# KiCad board PC110.kicad_pcb (continued)
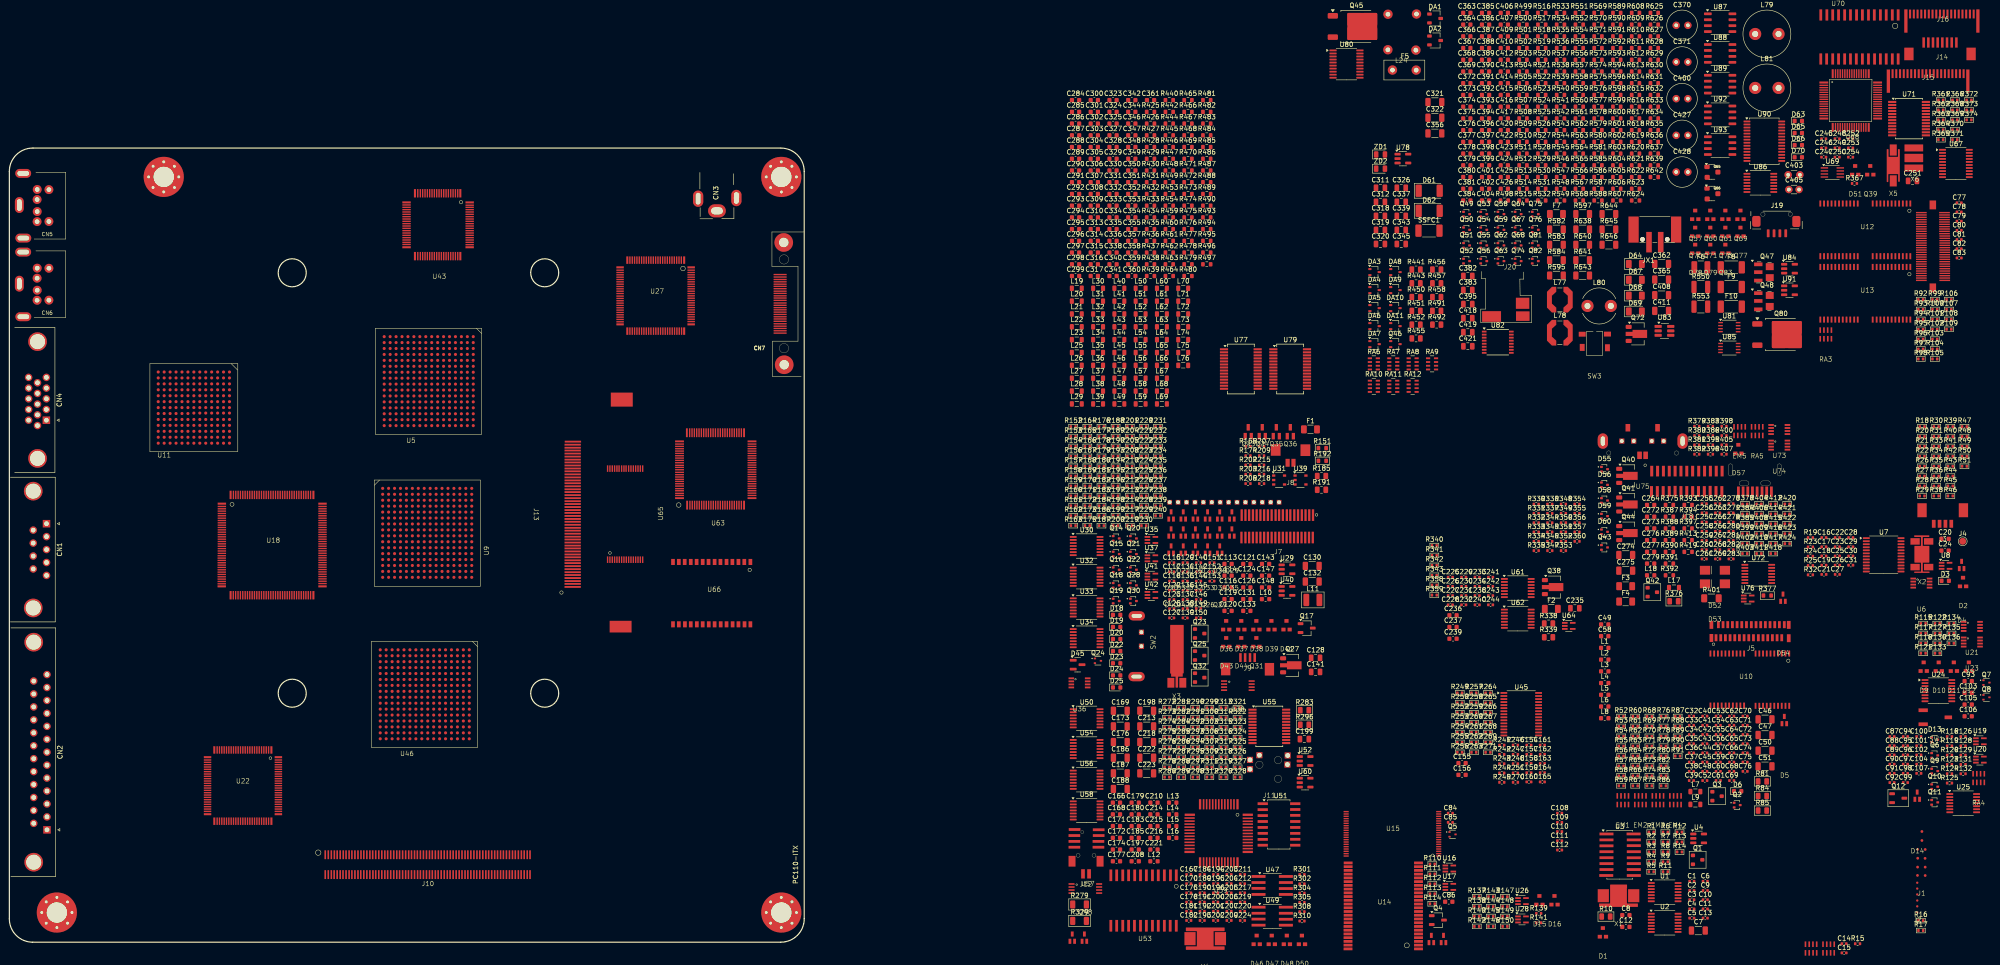
[diagram p0: board, top side]
## Placement (name value [footprint] x y rotation side) (continued)
C390  150nF  [C_0603_1608Metric]  315.72 186.39 0 top
C391  100pF  [C_0603_1608Metric]  315.72 183.88 0 top
C392  120nF  [C_0603_1608Metric]  315.72 181.37 0 top
C393  120nF  [C_0603_1608Metric]  315.72 178.86 0 top
C394  24nF  [C_0603_1608Metric]  315.72 176.35 0 top
C395  1.5uF  [C_0805_2012Metric]  311.93 136.6 0 top
C396  10pF  [C_0603_1608Metric]  315.72 173.84 0 top
C397  1.2nF  [C_0603_1608Metric]  315.72 171.33 0 top
C398  180nF  [C_0603_1608Metric]  315.72 168.82 0 top
C399  1.2nF  [C_0603_1608Metric]  315.72 166.31 0 top
C400  47uF 6.3v  [C_Radial_D6.3mm_H11.0mm_P2.50mm]  356.49 180.57 0 top
C401  180nF  [C_0603_1608Metric]  315.72 163.8 0 top
C402  10nF  [C_0603_1608Metric]  315.72 161.29 0 top
C403  33uF 20V  [C_Disc_D3.0mm_W1.6mm_P2.50mm]  380.44 164.27 0 top
C404  100nF  [C_0603_1608Metric]  315.72 158.78 0 top
C405  56uF 25V EC  [EC]  380.44 161.12 0 top
C406  150nF  [C_0603_1608Metric]  319.73 198.94 0 top
C407  180nF  [C_0603_1608Metric]  319.73 196.43 0 top
C408  5.2uF  [C_1206_3216Metric]  353.38 138.5 0 top
C409  10nF  [C_0603_1608Metric]  319.73 193.92 0 top
C410  1nF  [C_0603_1608Metric]  319.73 191.41 0 top
C411  1.2uF  [C_1206_3216Metric]  353.38 135.15 0 top
C412  10nF  [C_0603_1608Metric]  319.73 188.9 0 top
C413  150nF  [C_0603_1608Metric]  319.73 186.39 0 top
C414  18nF  [C_0603_1608Metric]  319.73 183.88 0 top
C415  12nF  [C_0603_1608Metric]  319.73 181.37 0 top
C416  150nF  [C_0603_1608Metric]  319.73 178.86 0 top
C417  120nF  [C_0603_1608Metric]  319.73 176.35 0 top
C418  1.5uF  [C_0805_2012Metric]  311.93 133.59 0 top
C419  1.5uF  [C_0805_2012Metric]  311.93 130.58 0 top
C420  150nF  [C_0603_1608Metric]  319.73 173.84 0 top
C421  1.5uF  [C_0805_2012Metric]  311.93 127.57 0 top
C422  150nF  [C_0603_1608Metric]  319.73 171.33 0 top
C423  10nF  [C_0603_1608Metric]  319.73 168.82 0 top
C424  120nF  [C_0603_1608Metric]  319.73 166.31 0 top
C425  10nF  [C_0603_1608Metric]  319.73 163.8 0 top
C426  10nF  [C_0603_1608Metric]  319.73 161.29 0 top
C427  47uF 6.3v  [C_Radial_D6.3mm_H11.0mm_P2.50mm]  356.49 172.72 0 top
C428  47uF 6.3V  [C_Radial_D6.3mm_H11.0mm_P2.50mm]  356.49 164.87 0 top
CN1  -  [DSUB-9_Pins_Horizontal_P2.77x2.84mm_EdgePinOffset4.94mm_Housed_MountingHolesOffset4.94mm]  7.95 89.59 270 top
CN2  -  [DSUB-25_Socket_Horizontal_P2.77x2.84mm_EdgePinOffset4.94mm_Housed_MountingHolesOffset4.94mm]  8.05 24.05 270 top
CN3  -  [BarrelJack_Horizontal_PC110]  151.21 160.41 270 top
CN4  -  [DSUB-15-HD_Socket_Horizontal_P2.29x1.90mm_EdgePinOffset3.03mm_Housed_MountingHolesOffset4.94mm]  7.92 111.75 270 top
CN5  -  [PS2 Connector]  6.86 157.68 0 top
CN6  -  [PS2 Connector]  6.86 140.84 0 top
CN7  -  [FDC_Connector]  166.57 136.54 0 top
D1  DNP  [3D]  340.85 1.9 0 top  (not fitted)
D2  -  [3D]  417.88 76.9 0 top
D3  92  [D_0603_1608Metric]  414.03 77.36 0 top
D4  K  [SOT-416L]  417.58 80.73 0 top
D5  K  [SOT-416L]  379.66 47.53 0 top
D6  71  [D_0603_1608Metric]  369.63 32.32 0 top
D7  3D  [SOT-416L]  304.18 0.66 0 top
D8  N  [SOT-416L]  306.77 0.66 0 top
D9  -  [3D]  409.46 58.77 0 top
D10  -  [3D]  412.69 58.77 0 top
D11  -  [3D]  415.92 58.77 0 top
D12  -  [3D]  419.14 58.77 0 top
D13  N  [SOT-416]  411.78 43.33 0 top
D14  K  [SOT-416L]  408.08 31.34 0 top
D15  -  [3D]  327.28 8.77 0 top
D16  -  [3D]  330.51 8.77 0 top
D17  N  [SOT-416L]  248.51 91.33 0 top
D18  40  [D_0603_1608Metric]  236.82 70.06 0 top
D19  24  [D_0603_1608Metric]  236.82 67.47 0 top
D20  24  [D_0603_1608Metric]  236.82 64.88 0 top
D21  N  [SOT-416L]  251.12 91.33 0 top
D22  C6  [D_0603_1608Metric]  236.82 62.29 0 top
D23  26  [D_0603_1608Metric]  236.82 59.7 0 top
D24  A2  [D_0603_1608Metric]  236.82 57.11 0 top
D25  83  [D_0603_1608Metric]  236.82 54.52 0 top
D26  N  [SOT-416L]  253.71 91.33 0 top
D27  N  [SOT-416L]  256.31 91.33 0 top
D28  N  [SOT-416L]  258.91 91.33 0 top
D29  N  [SOT-416L]  261.51 91.33 0 top
D30  N  [SOT-416L]  248.51 87.68 0 top
D31  N  [SOT-416L]  251.12 87.68 0 top
D32  N  [SOT-416L]  253.71 87.68 0 top
D33  N  [SOT-416L]  256.31 87.68 0 top
D34  N  [SOT-416L]  258.91 87.68 0 top
D35  N  [SOT-416L]  261.51 87.68 0 top
D36  Q  [3D]  260.29 67.65 0 top
D37  Q  [3D]  263.52 67.65 0 top
D38  -  [3D]  266.75 67.65 0 top
D39  DNP  [3D]  269.97 67.65 0 top  (not fitted)
D40  K  [SOT-416L]  248.51 84.03 0 top
D41  DNP  [3D]  273.19 67.65 0 top  (not fitted)
D42  K  [SOT-416L]  251.12 84.03 0 top
D43  -  [3D]  260.29 64 0 top
D44  -  [3D]  263.52 64 0 top
D45  3D  [SOT-23#2]  228.47 59.41 0 top
D46  DNP  [3D]  266.81 0.29 0 top  (not fitted)
D47  -  [3D]  270.04 0.29 0 top
D48  -  [3D]  273.26 0.29 0 top
D49  N  [SOT-416L]  227.38 0.95 0 top
D50  DNP  [3D]  276.49 0.29 0 top  (not fitted)
D51  -  [3D]  394.81 165.04 0 top
D52  s.3 5F  [Diode]  364.75 79.67 0 top
D53  s.3 5F  [Diode]  364.75 76.77 0 top
D54  3D  [SOT-416L]  379.38 73.72 0 top
D55  K  [SOT-416]  341.15 101.25 0 top
D56  K  [SOT-416]  341.15 97.9 0 top
D57  -  [3D]  369.83 105.35 0 top
D58  K  [SOT-416]  341.15 94.55 0 top
D59  K  [SOT-416]  341.15 91.2 0 top
D60  K  [SOT-416]  341.15 87.85 0 top
D61  s.3 5J  [D_2010_5025Metric]  303.66 160.86 0 top
D62  s.3 5J  [D_2010_5025Metric]  303.66 156.57 0 top
D63  8-2  [D_0603_1608Metric]  382.61 175.8 0 top
D64  DNP  [D_1206_3216Metric]  347.75 145.18 0 top  (not fitted)
D65  3^9  [D_0603_1608Metric]  382.61 173.21 0 top
D66  5-9  [D_0603_1608Metric]  382.61 170.62 0 top
D67  DNP  [D_1206_3216Metric]  347.75 141.79 0 top  (not fitted)
D68  s.3 4F  [D_1206_3216Metric]  347.75 138.4 0 top
D69  s.3 4F  [D_1206_3216Metric]  347.75 135.01 0 top
D70  18  [D_0603_1608Metric]  382.61 168.03 0 top
DA1  DNP  [SOT-23W]  304.92 197.75 0 top  (not fitted)
DA2  DNP  [SOT-23W]  304.92 193.03 0 top  (not fitted)
DA3  -  [SOT-323_SC-70]  291.98 143.45 0 top  (not fitted)
DA4  1W  [SOT-323_SC-70]  291.98 139.59 0 top
DA5  1W  [SOT-323_SC-70]  291.98 135.74 0 top
DA6  1W  [SOT-323_SC-70]  291.98 131.88 0 top
DA7  1W  [SOT-323_SC-70]  291.98 128.03 0 top
DA8  1W  [SOT-323_SC-70]  296.43 143.45 0 top
DA9  1W  [SOT-323_SC-70]  296.43 139.59 0 top
DA10  1W  [SOT-323_SC-70]  296.43 135.74 0 top
DA11  1W  [SOT-323_SC-70]  296.43 131.88 0 top
EM1  -  [R-array]  345.06 30.32 0 top
EM2  -  [R-array]  348.81 30.32 0 top
EM3  -  [R-array]  352.56 30.32 0 top
EM4  -  [R-array]  356.31 30.32 0 top
EM5  -  [R-array]  370.03 109.33 0 top
F1  0.5A  [Fuse_1206_3216Metric]  278.27 109.78 0 top
F2  0.5A  [Fuse_1206_3216Metric]  329.79 71.35 0 top
F3  0.5A  [Fuse_1206_3216Metric]  345.68 76.21 0 top
F4  1.0A  [Fuse_1206_3216Metric]  345.68 72.92 0 top
F5  50v x1G0 JX30  [Fuse_Littelfuse_395Series]  295.81 186.7 0 top
F6  10  [Fuse_1210_3225Metric]  361.76 144.47 0 top
F7  15  [Fuse_1206_3216Metric]  330.88 155.88 0 top
F8  2.5A  [Fuse_2010_5025Metric]  368.27 144.47 0 top
F9  830mA  [Fuse_2010_5025Metric]  368.27 140.26 0 top
F10  2.5A  [Fuse_2010_5025Metric]  368.27 136.05 0 top
H1  MountingHole  [MountingHole_4.3mm_M4_Pad_Via]  10.16 6.35 0 top
H2  MountingHole  [MountingHole_4.3mm_M4_Pad_Via]  165.1 6.35 0 top
H3  MountingHole  [MountingHole_4.3mm_M4_Pad_Via]  165.1 163.82 0 top
H4  MountingHole  [MountingHole_4.3mm_M4_Pad_Via]  33.02 163.83 0 top
J1  -  [Debug-10]  408.97 18.87 0 top
J2  -  [Debug-6]  408.09 9.58 0 top
J3  -  [connector-4]  413.47 91.27 0 top
J4  -  [TestPoint_Pad_D1.5mm]  417.77 85.82 0 top
J5  -  [LCD_connector]  372.41 66.43 0 top
J6  -  [RAM Module]  411.37 148.78 0 top
J7  -  [PSU_Connector]  271.37 89.03 0 top
J8  -  [BridgeBatt]  273.98 103.83 0 top
J9  -  [Flat-4]  264.84 58.18 0 top
J10  -  [PCMCIA]  89.51 16.72 0 top
J11  -  [Audio-Jack]  269.44 37.03 0 top
J12  -  [SPKR]  230.27 16.83 0 top
J13  -  [CF-card]  125.68 92.7 270 top
J14  -  [Flat-8]  413.01 190.9 0 top
J15  -  [Flat-20]  410.36 184.63 0 top
J16  -  [Flat-18]  413.51 197.1 0 top
J17  -  [PS2]  373.25 98.55 0 top
J18  -  [Modem-Connector]  358.81 98.7 0 top
J19  -  [Backllight_Connector]  378.04 153.7 0 top
J20  -  [PSU_Jack]  320.75 138.98 0 top
JX1  Main Battery  [TerminalBlock_Phoenix_PTSM-0,5-4-HV-2.5-SMD_1x04-1MP_P2.50mm_Vertical]  351.93 151.5 0 top
L1  1.5uH  [L_0603_1608Metric]  341.21 63 0 top
L2  1.5uH  [L_0603_1608Metric]  341.21 60.49 0 top
L3  1.5uH  [L_0603_1608Metric]  341.21 57.98 0 top
L4  1.5uH  [L_0603_1608Metric]  341.21 55.47 0 top
L5  1.5uH  [L_0603_1608Metric]  341.21 52.96 0 top
L6  1.5uH  [L_0603_1608Metric]  341.21 50.45 0 top
L7  300nH  [L_0805_2012Metric]  360.59 32.24 0 top
L8  1.5uH  [L_0603_1608Metric]  341.21 47.94 0 top
L9  300nH  [L_0805_2012Metric]  360.59 29.49 0 top
L10  1.5uH  [L_0603_1608Metric]  268.67 73.44 0 top
L11  68uH  [L_1210_3225Metric]  278.78 73.27 0 top
L12  1.5uH  [L_0603_1608Metric]  244.8 17.32 0 top
L13  1.5uH  [L_0603_1608Metric]  248.81 29.87 0 top
L14  1.5uH  [L_0603_1608Metric]  248.81 27.36 0 top
L15  1.5uH  [L_0603_1608Metric]  248.81 24.85 0 top
L16  1.5uH  [L_0603_1608Metric]  248.81 22.34 0 top
L17  300nH  [L_0805_2012Metric]  356.02 75.91 0 top
L18  1.5uH  [L_0603_1608Metric]  351.03 78.54 0 top
L19  680nH  [L_0805_2012Metric]  228.3 139.98 0 top
L20  680nH  [L_0805_2012Metric]  228.3 137.23 0 top
L21  680nH  [L_0805_2012Metric]  228.3 134.48 0 top
L22  680nH  [L_0805_2012Metric]  228.3 131.73 0 top
L23  680nH  [L_0805_2012Metric]  228.3 128.98 0 top
L24  -  [EMI_Transformer]  297.75 195 0 top
L25  680nH  [L_0805_2012Metric]  228.3 126.23 0 top
L26  680nH  [L_0805_2012Metric]  228.3 123.48 0 top
L27  680nH  [L_0805_2012Metric]  228.3 120.73 0 top
L28  680nH  [L_0805_2012Metric]  228.3 117.98 0 top
L29  680nH  [L_0805_2012Metric]  228.3 115.23 0 top
L30  680nH  [L_0805_2012Metric]  232.85 139.98 0 top
L31  680nH  [L_0805_2012Metric]  232.85 137.23 0 top
L32  680nH  [L_0805_2012Metric]  232.85 134.48 0 top
L33  680nH  [L_0805_2012Metric]  232.85 131.73 0 top
L34  680nH  [L_0805_2012Metric]  232.85 128.98 0 top
L35  680nH  [L_0805_2012Metric]  232.85 126.23 0 top
L36  680nH  [L_0805_2012Metric]  232.85 123.48 0 top
L37  680nH  [L_0805_2012Metric]  232.85 120.73 0 top
L38  680nH  [L_0805_2012Metric]  232.85 117.98 0 top
L39  680nH  [L_0805_2012Metric]  232.85 115.23 0 top
L40  680nH  [L_0805_2012Metric]  237.4 139.98 0 top
L41  680nH  [L_0805_2012Metric]  237.4 137.23 0 top
L42  680nH  [L_0805_2012Metric]  237.4 134.48 0 top
L43  680nH  [L_0805_2012Metric]  237.4 131.73 0 top
L44  680nH  [L_0805_2012Metric]  237.4 128.98 0 top
L45  680nH  [L_0805_2012Metric]  237.4 126.23 0 top
L46  680nH  [L_0805_2012Metric]  237.4 123.48 0 top
L47  680nH  [L_0805_2012Metric]  237.4 120.73 0 top
L48  680nH  [L_0805_2012Metric]  237.4 117.98 0 top
L49  680nH  [L_0805_2012Metric]  237.4 115.23 0 top
L50  680nH  [L_0805_2012Metric]  241.95 139.98 0 top
L51  680nH  [L_0805_2012Metric]  241.95 137.23 0 top
L52  680nH  [L_0805_2012Metric]  241.95 134.48 0 top
L53  680nH  [L_0805_2012Metric]  241.95 131.73 0 top
L54  680nH  [L_0805_2012Metric]  241.95 128.98 0 top
L55  300nH  [L_0805_2012Metric]  241.95 126.23 0 top
L56  680nH  [L_0805_2012Metric]  241.95 123.48 0 top
L57  680nH  [L_0805_2012Metric]  241.95 120.73 0 top
L58  680nH  [L_0805_2012Metric]  241.95 117.98 0 top
L59  680nH  [L_0805_2012Metric]  241.95 115.23 0 top
L60  680nH  [L_0805_2012Metric]  246.5 139.98 0 top
L61  300nH  [L_0805_2012Metric]  246.5 137.23 0 top
L62  300nH  [L_0805_2012Metric]  246.5 134.48 0 top
L63  680nH  [L_0805_2012Metric]  246.5 131.73 0 top
L64  680nH  [L_0805_2012Metric]  246.5 128.98 0 top
L65  680nH  [L_0805_2012Metric]  246.5 126.23 0 top
L66  680nH  [L_0805_2012Metric]  246.5 123.48 0 top
L67  680nH  [L_0805_2012Metric]  246.5 120.73 0 top
L68  680nH  [L_0805_2012Metric]  246.5 117.98 0 top
L69  680nH  [L_0805_2012Metric]  246.5 115.23 0 top
L70  680nH  [L_0805_2012Metric]  251.05 139.98 0 top
L71  300nH  [L_0805_2012Metric]  251.05 137.23 0 top
L72  300nH  [L_0805_2012Metric]  251.05 134.48 0 top
L73  300nH  [L_0805_2012Metric]  251.05 131.73 0 top
L74  680nH  [L_0805_2012Metric]  251.05 128.98 0 top
L75  680nH  [L_0805_2012Metric]  251.05 126.23 0 top
L76  680nH  [L_0805_2012Metric]  251.05 123.48 0 top
L77  470uH  [L_Coilcraft_LPS5030]  331.61 137.54 0 top
L78  68uH  [L_Coilcraft_LPS5030]  331.61 130.47 0 top
L79  10uH  [L_Radial_D10.0mm_P5.00mm_Fastron_07M]  373.39 194.42 0 top
L80  10uH  [L_Radial_D7.5mm_P5.00mm_Fastron_07P]  337.52 136.2 0 top
L81  10uH  [L_Radial_D10.0mm_P5.00mm_Fastron_07M]  373.39 182.87 0 top
Q1  6D  [SOT-23]  361.07 17.64 0 top
Q2  8C  [SOT-416]  369.53 29.35 0 top
Q3  IS6  [SOT-23]  365.22 31.26 0 top
Q4  7C  [TSOT-23]  305.52 4.73 0 top
Q5  8C  [SOT-523]  308.65 23.08 0 top
Q6  8C  [SOT-416]  411.78 39.98 0 top
Q7  8B  [SOT-523]  422.84 55.57 0 top
Q8  8B  [SOT-523]  422.84 52.42 0 top
Q9  8B  [SOT-416]  411.78 36.63 0 top
Q10  8C  [SOT-416]  411.78 33.28 0 top
Q11  8C  [SOT-416]  411.78 29.93 0 top
Q12  IS6  [TSOT-23]  403.97 30.83 0 top
Q13  YQ  [SOT-416L]  253.71 84.03 0 top
Q14  8B  [SOT-416]  236.72 86.43 0 top
Q15  8LR  [SOT-416]  236.72 83.08 0 top
Q16  8B  [SOT-416]  236.72 79.73 0 top
Q17  7C  [TSOT-23]  277.46 67.24 0 top
Q18  8C  [SOT-416]  236.72 76.38 0 top
Q19  8C  [SOT-416]  236.72 73.03 0 top
Q20  8C  [SOT-416]  240.4 86.43 0 top
Q21  8C  [SOT-416]  240.4 83.08 0 top
Q22  8C  [SOT-416]  240.4 79.73 0 top
Q23  IS6  [SOT-23]  254.57 66.08 0 top
Q24  8C  [SOT-523]  232.81 60.23 0 top
Q25  IS6  [SOT-23]  254.57 61.36 0 top
Q26  YQ  [SOT-416L]  256.31 84.03 0 top
Q27  582 B74  [SOT-89-3]  274.37 59.28 0 top
Q28  8C  [SOT-416]  240.4 76.38 0 top
Q29  HQ  [SOT-416L]  258.91 84.03 0 top
Q30  8B  [SOT-416]  240.4 73.03 0 top
Q31  6D  [3D]  266.75 64 0 top
Q32  DNP  [SOT-23]  254.57 56.64 0 top
Q33  HQ  [TSOT-23#2]  264.96 109.23 0 top
Q34  CQ  [TSOT-23#2]  267.96 109.23 0 top
Q35  HQ  [TSOT-23#2]  270.96 109.23 0 top
Q36  CQ  [TSOT-23#2]  273.96 109.23 0 top
Q37  ST3  [SOT-416L]  229.97 0.95 0 top
Q38  BH RT  [SOT-89-3]  330.36 76.02 0 top
Q39  6D  [3D]  398.04 165.04 0 top
Q40  BH RT  [SOT-89-3]  346.25 99.83 0 top
Q41  BH RT  [SOT-89-3]  346.25 93.7 0 top
Q42  6D  [SOT-23]  351.38 74.93 0 top
Q43  8B  [SOT-416]  341.15 84.5 0 top
Q44  BH RT  [SOT-89-3]  346.25 87.58 0 top
Q45  3P4J  [TO-252-2]  288.09 196.03 0 top
Q46  8C  [SOT-323_SC-70]  296.43 128.03 0 top
Q47  303 5H  [SOT-powerT]  375.57 143.44 0 top
Q48  103 5G  [SOT-powerT]  375.57 137.27 0 top
Q49  8C  [SOT-416]  311.65 155.85 0 top
Q50  8C  [SOT-416]  311.65 152.5 0 top
Q51  6LS  [SOT-416]  311.65 149.15 0 top
Q52  6LS  [SOT-416]  311.65 145.8 0 top
Q53  8C  [SOT-416]  315.33 155.85 0 top
Q54  8LR  [SOT-416]  315.33 152.5 0 top
Q55  6LS  [SOT-416]  315.33 149.15 0 top
Q56  8C  [SOT-416]  315.33 145.8 0 top
Q57  K  [3D]  360.6 155.5 0 top
Q58  8LR  [SOT-416]  319 155.85 0 top
Q59  8C  [SOT-416]  319 152.5 0 top
Q60  M2P  [3D]  363.83 155.5 0 top
Q61  W6  [3D]  367.06 155.5 0 top
Q62  8C  [SOT-416]  319 149.15 0 top
Q63  8LB  [SOT-416]  319 145.8 0 top
Q64  8LR  [SOT-416]  322.68 155.85 0 top
Q65  G16  [SOT-23-PC110]  364.11 164.9 0 top
Q66  H15  [SOT-23-PC110]  364.11 160.27 0 top
Q67  6LS  [SOT-416]  322.68 152.5 0 top
Q68  6LS  [SOT-416]  322.68 149.15 0 top
Q69  M2P  [3D]  370.28 155.5 0 top
Q70  Q  [3D]  360.6 151.85 0 top
Q71  W6  [3D]  363.83 151.85 0 top
Q72  KD 3.E  [SOT-89-3]  348.28 130.22 0 top
Q73  W6  [3D]  367.06 151.85 0 top
Q74  6LS  [SOT-416]  322.68 145.8 0 top
Q75  8LR  [SOT-416]  326.35 155.85 0 top
Q76  8LR  [SOT-416]  326.35 152.5 0 top
Q77  K  [3D]  370.28 151.85 0 top
Q78  M2P  [3D]  360.6 148.2 0 top
Q79  R4C  [3D]  363.83 148.2 0 top
Q80  3P4J  [TO-252-2]  378.89 130.08 0 top
Q81  6LS  [SOT-416]  326.35 149.15 0 top
Q82  8C  [SOT-416]  326.35 145.8 0 top
Q83  Q  [3D]  367.06 148.2 0 top
R1  33  [R_0402_1005Metric]  351.16 23.56 0 top
R2  47  [R_0402_1005Metric]  351.16 21.44 0 top
R3  33  [R_0402_1005Metric]  351.16 19.32 0 top
R4  33  [R_0402_1005Metric]  351.16 17.2 0 top
R5  56  [R_0402_1005Metric]  351.16 15.08 0 top
R6  DNP  [R_0402_1005Metric]  354.19 23.56 0 top  (not fitted)
R7  33  [R_0402_1005Metric]  354.19 21.44 0 top
R8  33  [R_0402_1005Metric]  354.19 19.32 0 top
R9  33  [R_0402_1005Metric]  354.19 17.2 0 top
R10  10  [R_0805_2012Metric]  341.46 5.49 0 top
R11  33  [R_0402_1005Metric]  354.19 15.08 0 top
R12  4.7k  [R_0402_1005Metric]  357.2 23.56 0 top
R13  470k  [R_0402_1005Metric]  357.2 21.44 0 top
R14  0  [R_0402_1005Metric]  357.2 19.32 0 top
R15  10k  [R_0402_1005Metric]  395.29 -0.33 0 top
R16  DNP  [R_0402_1005Metric]  408.81 4.62 0 top
R17  33  [R_0402_1005Metric]  408.81 2.5 0 top
R18  300  [R_0402_1005Metric]  409.08 110.37 0 top
R19  10  [R_0402_1005Metric]  385.2 86.6 0 top
R20  100k  [R_0402_1005Metric]  409.08 108.25 0 top
R21  47k  [R_0402_1005Metric]  409.08 106.13 0 top
R22  100k  [R_0402_1005Metric]  409.08 104.01 0 top
R23  470k  [R_0402_1005Metric]  385.2 84.61 0 top
R24  47k  [R_0402_1005Metric]  385.2 82.62 0 top
R25  47k  [R_0402_1005Metric]  385.2 80.63 0 top
R26  33  [R_0402_1005Metric]  409.08 101.89 0 top
R27  33  [R_0402_1005Metric]  409.08 99.77 0 top
R28  100k  [R_0402_1005Metric]  409.08 97.65 0 top
R29  33  [R_0402_1005Metric]  409.08 95.53 0 top
R30  33  [R_0402_1005Metric]  412.1 110.37 0 top
R31  1k  [R_0402_1005Metric]  412.1 108.25 0 top
R32  33  [R_0402_1005Metric]  385.2 78.64 0 top
R33  100k  [R_0402_1005Metric]  412.1 106.13 0 top
R34  100k  [R_0402_1005Metric]  412.1 104.01 0 top
R35  DNP  [R_0402_1005Metric]  412.1 101.89 0 top  (not fitted)
R36  DNP  [R_0402_1005Metric]  412.1 99.77 0 top  (not fitted)
R37  100k  [R_0402_1005Metric]  412.1 97.65 0 top
R38  33  [R_0402_1005Metric]  412.1 95.53 0 top
R39  33  [R_0402_1005Metric]  415.12 110.37 0 top
R40  33  [R_0402_1005Metric]  415.12 108.25 0 top
R41  33  [R_0402_1005Metric]  415.12 106.13 0 top
R42  33  [R_0402_1005Metric]  415.12 104.01 0 top
R43  33  [R_0402_1005Metric]  415.12 101.89 0 top
R44  33  [R_0402_1005Metric]  415.12 99.77 0 top
R45  33  [R_0402_1005Metric]  415.12 97.65 0 top
R46  33  [R_0402_1005Metric]  415.12 95.53 0 top
R47  33  [R_0402_1005Metric]  418.15 110.37 0 top
R48  33  [R_0402_1005Metric]  418.15 108.25 0 top
R49  33  [R_0402_1005Metric]  418.15 106.13 0 top
R50  DNP  [R_0402_1005Metric]  418.15 104.01 0 top  (not fitted)
R51  100k  [R_0402_1005Metric]  418.15 101.89 0 top
R52  0  [R_0402_1005Metric]  344.72 48.32 0 top
R53  0  [R_0402_1005Metric]  344.72 46.2 0 top
R54  0  [R_0402_1005Metric]  344.72 44.08 0 top
R55  0  [R_0402_1005Metric]  344.72 41.96 0 top
R56  4.7k  [R_0402_1005Metric]  344.72 39.84 0 top
R57  4.7k  [R_0402_1005Metric]  344.72 37.72 0 top
R58  4.7k  [R_0402_1005Metric]  344.72 35.6 0 top
R59  470k  [R_0402_1005Metric]  344.72 33.48 0 top
R60  470k  [R_0402_1005Metric]  347.75 48.32 0 top
R61  470k  [R_0402_1005Metric]  347.75 46.2 0 top
R62  470k  [R_0402_1005Metric]  347.75 44.08 0 top
R63  470k  [R_0402_1005Metric]  347.75 41.96 0 top
R64  470k  [R_0402_1005Metric]  347.75 39.84 0 top
R65  470k  [R_0402_1005Metric]  347.75 37.72 0 top
R66  470k  [R_0402_1005Metric]  347.75 35.6 0 top
R67  470k  [R_0402_1005Metric]  347.75 33.48 0 top
R68  470k  [R_0402_1005Metric]  350.76 48.32 0 top
R69  470k  [R_0402_1005Metric]  350.76 46.2 0 top
R70  470k  [R_0402_1005Metric]  350.76 44.08 0 top
R71  470k  [R_0402_1005Metric]  350.76 41.96 0 top
R72  470k  [R_0402_1005Metric]  350.76 39.84 0 top
R73  470k  [R_0402_1005Metric]  350.76 37.72 0 top
R74  470k  [R_0402_1005Metric]  350.76 35.6 0 top
R75  33  [R_0402_1005Metric]  350.76 33.48 0 top
R76  10  [R_0402_1005Metric]  353.78 48.32 0 top
R77  10  [R_0402_1005Metric]  353.78 46.2 0 top
R78  33  [R_0402_1005Metric]  353.78 44.08 0 top
R79  33  [R_0402_1005Metric]  353.78 41.96 0 top
R80  4.7k  [R_0402_1005Metric]  353.78 39.84 0 top
R81  150  [R_0805_2012Metric]  374.93 34.42 0 top
R82  10  [R_0402_1005Metric]  353.78 37.72 0 top
R83  182k  [R_0402_1005Metric]  353.78 35.6 0 top
R84  150  [R_0805_2012Metric]  374.93 31.3 0 top
R85  150  [R_0805_2012Metric]  374.93 28.18 0 top
R86  270  [R_0402_1005Metric]  353.78 33.48 0 top
R87  131k  [R_0402_1005Metric]  356.81 48.32 0 top
R88  4.7k  [R_0402_1005Metric]  356.81 46.2 0 top
R89  470  [R_0402_1005Metric]  356.81 44.08 0 top
R90  100k  [R_0402_1005Metric]  356.81 41.96 0 top
R91  470k  [R_0402_1005Metric]  356.81 39.84 0 top
R92  33  [R_0402_1005Metric]  408.79 137.57 0 top
R93  470k  [R_0402_1005Metric]  408.79 135.45 0 top
R94  100k  [R_0402_1005Metric]  408.79 133.33 0 top
R95  100k  [R_0402_1005Metric]  408.79 131.21 0 top
R96  100k  [R_0402_1005Metric]  408.79 129.09 0 top
R97  100k  [R_0402_1005Metric]  408.79 126.97 0 top
R98  100k  [R_0402_1005Metric]  408.79 124.85 0 top
R99  470k  [R_0402_1005Metric]  411.81 137.57 0 top
R100  33  [R_0402_1005Metric]  411.81 135.45 0 top
R101  470k  [R_0402_1005Metric]  411.81 133.33 0 top
R102  470k  [R_0402_1005Metric]  411.81 131.21 0 top
R103  470k  [R_0402_1005Metric]  411.81 129.09 0 top
R104  33  [R_0402_1005Metric]  411.81 126.97 0 top
R105  33  [R_0402_1005Metric]  411.81 124.85 0 top
R106  33  [R_0402_1005Metric]  414.82 137.57 0 top
R107  33  [R_0402_1005Metric]  414.82 135.45 0 top
R108  33  [R_0402_1005Metric]  414.82 133.33 0 top
R109  33  [R_0402_1005Metric]  414.82 131.21 0 top
R110  470k  [R_0402_1005Metric]  304.33 16.71 0 top
R111  470k  [R_0402_1005Metric]  304.33 14.59 0 top
R112  10k  [R_0402_1005Metric]  304.33 12.47 0 top
R113  100k  [R_0402_1005Metric]  304.33 10.35 0 top
R114  47k  [R_0402_1005Metric]  304.33 8.23 0 top
R115  47k  [R_0402_1005Metric]  409.32 68.22 0 top
R116  33  [R_0402_1005Metric]  414.95 44.01 0 top
R117  33  [R_0402_1005Metric]  409.32 66.1 0 top
R118  470k  [R_0402_1005Metric]  409.32 63.98 0 top
R119  47k  [R_0402_1005Metric]  414.95 42.02 0 top
R120  22k  [R_0402_1005Metric]  414.95 40.03 0 top
R121  470k  [R_0402_1005Metric]  409.32 61.86 0 top
R122  470k  [R_0402_1005Metric]  412.34 68.22 0 top
R123  22k  [R_0402_1005Metric]  414.95 38.04 0 top
R124  22k  [R_0402_1005Metric]  414.95 36.05 0 top
R125  50k  [R_0402_1005Metric]  414.95 34.06 0 top
R126  33k  [R_0402_1005Metric]  417.86 44.01 0 top
R127  470k  [R_0402_1005Metric]  412.34 66.1 0 top
R128  2.2k  [R_0402_1005Metric]  417.86 42.02 0 top
R129  7.5k  [R_0402_1005Metric]  417.86 40.03 0 top
R130  180k  [R_0402_1005Metric]  412.34 63.98 0 top
R131  20k  [R_0402_1005Metric]  417.86 38.04 0 top
R132  4.7k  [R_0402_1005Metric]  417.86 36.05 0 top
R133  47k  [R_0402_1005Metric]  412.34 61.86 0 top
R134  133k  [R_0402_1005Metric]  415.36 68.22 0 top
R135  470k  [R_0402_1005Metric]  415.36 66.1 0 top
R136  4.7k  [R_0402_1005Metric]  415.36 63.98 0 top
R137  100k  [R_0402_1005Metric]  313.83 9.74 0 top
R138  470k  [R_0402_1005Metric]  313.83 7.62 0 top
R139  100k  [R_0402_1005Metric]  327.09 6.15 0 top
R140  1k  [R_0402_1005Metric]  313.83 5.5 0 top
R141  470k  [R_0402_1005Metric]  327.09 4.16 0 top
R142  1k  [R_0402_1005Metric]  313.83 3.38 0 top
R143  2k  [R_0402_1005Metric]  316.85 9.74 0 top
R144  2k  [R_0402_1005Metric]  316.85 7.62 0 top
R145  1k  [R_0402_1005Metric]  316.85 5.5 0 top
R146  2k  [R_0402_1005Metric]  316.85 3.38 0 top
R147  1k  [R_0402_1005Metric]  319.88 9.74 0 top
R148  1k  [R_0402_1005Metric]  319.88 7.62 0 top
R149  1k  [R_0402_1005Metric]  319.88 5.5 0 top
R150  10k  [R_0402_1005Metric]  319.88 3.38 0 top
R151  56  [R_0603_1608Metric]  280.79 105.77 0 top
R152  133k  [R_0402_1005Metric]  227.53 110.37 0 top
R153  47k  [R_0402_1005Metric]  227.53 108.25 0 top
R154  10k  [R_0402_1005Metric]  227.53 106.13 0 top
R155  47k  [R_0402_1005Metric]  264.92 106.13 0 top
R156  50k  [R_0402_1005Metric]  227.53 104.01 0 top
R157  10k  [R_0402_1005Metric]  227.53 101.89 0 top
R158  470k  [R_0402_1005Metric]  227.53 99.77 0 top
R159  DNP  [R_0402_1005Metric]  227.53 97.65 0 top  (not fitted)
R160  10k  [R_0402_1005Metric]  227.53 95.53 0 top
R161  470k  [R_0402_1005Metric]  227.53 93.41 0 top
R162  47k  [R_0402_1005Metric]  227.53 91.29 0 top
R163  470k  [R_0402_1005Metric]  227.53 89.17 0 top
R164  470k  [R_0402_1005Metric]  230.56 110.37 0 top
R165  470k  [R_0402_1005Metric]  230.56 108.25 0 top
R166  200k  [R_0402_1005Metric]  230.56 106.13 0 top
R167  470k  [R_0402_1005Metric]  230.56 104.01 0 top
R168  470k  [R_0402_1005Metric]  230.56 101.89 0 top
R169  47k  [R_0402_1005Metric]  230.56 99.77 0 top
R170  470k  [R_0402_1005Metric]  230.56 97.65 0 top
R171  100k  [R_0402_1005Metric]  230.56 95.53 0 top
R172  22k  [R_0402_1005Metric]  230.56 93.41 0 top
R173  470k  [R_0402_1005Metric]  230.56 91.29 0 top
R174  47k  [R_0402_1005Metric]  264.92 104.14 0 top
R175  33k  [R_0402_1005Metric]  230.56 89.17 0 top
R176  100k  [R_0402_1005Metric]  233.57 110.37 0 top
R177  470k  [R_0402_1005Metric]  233.57 108.25 0 top
R178  470k  [R_0402_1005Metric]  233.57 106.13 0 top
R179  47k  [R_0402_1005Metric]  233.57 104.01 0 top
R180  47k  [R_0402_1005Metric]  233.57 101.89 0 top
R181  10k  [R_0402_1005Metric]  233.57 99.77 0 top
R182  33k  [R_0402_1005Metric]  233.57 97.65 0 top
R183  220  [R_0402_1005Metric]  233.57 95.53 0 top
R184  470  [R_0402_1005Metric]  233.57 93.41 0 top
R185  56  [R_0805_2012Metric]  280.63 99.8 0 top
R186  4.7k  [R_0402_1005Metric]  233.57 91.29 0 top
R187  4.7k  [R_0402_1005Metric]  233.57 89.17 0 top
R188  100k  [R_0402_1005Metric]  236.59 110.37 0 top
R189  470k  [R_0402_1005Metric]  236.59 108.25 0 top
R190  1k  [R_0402_1005Metric]  236.59 106.13 0 top
R191  300  [R_0805_2012Metric]  280.63 96.85 0 top
R192  100  [R_0603_1608Metric]  280.79 103.05 0 top
R193  120k  [R_0402_1005Metric]  236.59 104.01 0 top
R194  120k  [R_0402_1005Metric]  236.59 101.89 0 top
R195  100k  [R_0402_1005Metric]  236.59 99.77 0 top
R196  100K  [R_0402_1005Metric]  236.59 97.65 0 top
R197  120k  [R_0402_1005Metric]  236.59 95.53 0 top
R198  120k  [R_0402_1005Metric]  236.59 93.41 0 top
R199  100k  [R_0402_1005Metric]  236.59 91.29 0 top
R200  100k  [R_0402_1005Metric]  236.59 89.17 0 top
R201  0  [R_0402_1005Metric]  239.62 110.37 0 top
R202  1k  [R_0402_1005Metric]  264.92 102.15 0 top
R203  3K  [R_0402_1005Metric]  264.92 100.16 0 top
R204  0  [R_0402_1005Metric]  239.62 108.25 0 top
R205  47k  [R_0402_1005Metric]  239.62 106.13 0 top
R206  47k  [R_0402_1005Metric]  264.92 98.17 0 top
R207  47k  [R_0402_1005Metric]  267.83 106.13 0 top
R208  47k  [R_0402_1005Metric]  239.62 104.01 0 top
R209  47k  [R_0402_1005Metric]  267.83 104.14 0 top
R210  4.7k  [R_0402_1005Metric]  239.62 101.89 0 top
R211  4.7k  [R_0402_1005Metric]  239.62 99.77 0 top
R212  4.7k  [R_0402_1005Metric]  239.62 97.65 0 top
R213  4.7k  [R_0402_1005Metric]  239.62 95.53 0 top
R214  100k  [R_0402_1005Metric]  239.62 93.41 0 top
R215  100k  [R_0402_1005Metric]  267.83 102.15 0 top
R216  100k  [R_0402_1005Metric]  267.83 100.16 0 top
R217  100k  [R_0402_1005Metric]  239.62 91.29 0 top
R218  100k  [R_0402_1005Metric]  267.83 98.17 0 top
R219  4.7k  [R_0402_1005Metric]  239.62 89.17 0 top
R220  470k  [R_0402_1005Metric]  242.63 110.37 0 top
R221  47k  [R_0402_1005Metric]  242.63 108.25 0 top
R222  47k  [R_0402_1005Metric]  242.63 106.13 0 top
R223  4.7k  [R_0402_1005Metric]  242.63 104.01 0 top
R224  4.7k  [R_0402_1005Metric]  242.63 101.89 0 top
R225  4.7k  [R_0402_1005Metric]  242.63 99.77 0 top
R226  4.7k  [R_0402_1005Metric]  242.63 97.65 0 top
R227  4.7k  [R_0402_1005Metric]  242.63 95.53 0 top
R228  4.7k  [R_0402_1005Metric]  242.63 93.41 0 top
R229  4.7k  [R_0402_1005Metric]  242.63 91.29 0 top
R230  4.7k  [R_0402_1005Metric]  242.63 89.17 0 top
R231  10k  [R_0402_1005Metric]  245.65 110.37 0 top
R232  10k  [R_0402_1005Metric]  245.65 108.25 0 top
R233  10k  [R_0402_1005Metric]  245.65 106.13 0 top
R234  50k  [R_0402_1005Metric]  245.65 104.01 0 top
R235  47k  [R_0402_1005Metric]  245.65 101.89 0 top
R236  68k  [R_0402_1005Metric]  245.65 99.77 0 top
R237  68k  [R_0402_1005Metric]  245.65 97.65 0 top
R238  100k  [R_0402_1005Metric]  245.65 95.53 0 top
R239  68k  [R_0402_1005Metric]  245.65 93.41 0 top
R240  120k  [R_0402_1005Metric]  245.65 91.29 0 top
R241  100k  [R_0402_1005Metric]  319.2 42.18 0 top
R242  10k  [R_0402_1005Metric]  319.2 40.19 0 top
R243  10k  [R_0402_1005Metric]  319.2 38.2 0 top
R244  DNP  [R_0402_1005Metric]  319.2 36.21 0 top  (not fitted)
R245  10k  [R_0402_1005Metric]  319.2 34.22 0 top
R246  10k  [R_0402_1005Metric]  322.11 42.18 0 top
R247  DNP  [R_0402_1005Metric]  322.11 40.19 0 top
R248  10k  [R_0402_1005Metric]  322.11 38.2 0 top
R249  10k  [R_0402_1005Metric]  310.19 53.37 0 top
R250  470k  [R_0402_1005Metric]  310.19 51.25 0 top
R251  470k  [R_0402_1005Metric]  322.11 36.21 0 top
R252  470k  [R_0402_1005Metric]  310.19 49.13 0 top
R253  1k  [R_0402_1005Metric]  310.19 47.01 0 top
R254  470k  [R_0402_1005Metric]  310.19 44.89 0 top
R255  33  [R_0402_1005Metric]  310.19 42.77 0 top
R256  10k  [R_0402_1005Metric]  310.19 40.65 0 top
R257  10k  [R_0402_1005Metric]  313.21 53.37 0 top
R258  10k  [R_0402_1005Metric]  313.21 51.25 0 top
R259  10k  [R_0402_1005Metric]  313.21 49.13 0 top
R260  10k  [R_0402_1005Metric]  313.21 47.01 0 top
R261  10k  [R_0402_1005Metric]  313.21 44.89 0 top
R262  47k  [R_0402_1005Metric]  313.21 42.77 0 top
R263  10k  [R_0402_1005Metric]  313.21 40.65 0 top
R264  47k  [R_0402_1005Metric]  316.23 53.37 0 top
R265  10k  [R_0402_1005Metric]  316.23 51.25 0 top
R266  10k  [R_0402_1005Metric]  316.23 49.13 0 top
